# KiCad board demomatrix.kicad_pcb (continued)
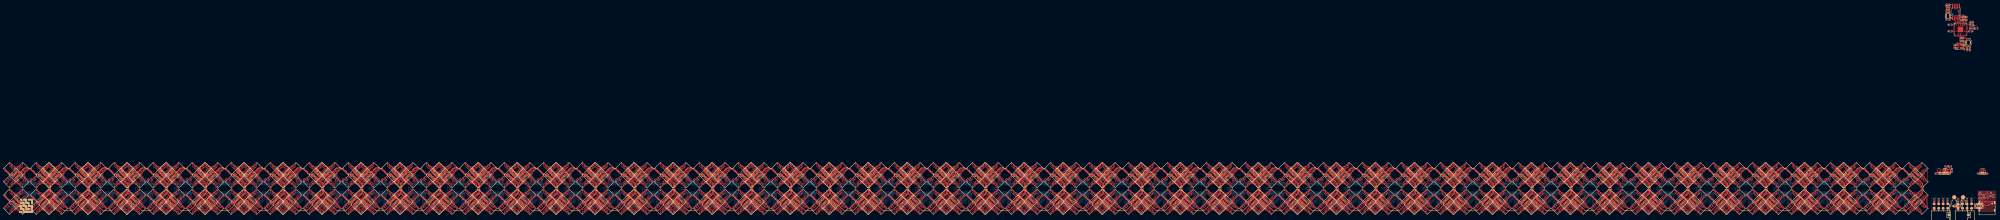
[diagram p0: board, top side]
## Routing (per net, layer and track width the routed paths; a pad name or vN(x,y) marks a point on that pad's centre or on a via; arc(x,y) is an arc through that point) (continued)
rgbs[3]-cathodes-cathode-370: length 10.7
  Top w0.2: LED496.1 -565.26,2.17 v1(-564.36,1.27)
  Bottom w0.2: U151.16 -564.7,1.61 v1(-564.36,1.27)
rgbs[3]-cathodes-cathode-371: length 21.3
  Top w0.2: LED492.1 -579.25,1.21 v1(-579.23,1.21)
  Bottom w0.2: v1(-579.23,1.21) -577.54,1.21 -575.86,2.89 -569.39,2.89 -565.37,6.91 -565.37,9.65 -565.27,9.75 -565.27,10.46 U151.17
rgbs[3]-cathodes-cathode-372: length 19.3
  Top w0.2: v1(-578.44,2.17) -578.51,2.17 LED492.3
  Bottom w0.2: v1(-578.44,2.17) -577.15,2.17 -576.02,3.29 -569.56,3.29 -565.97,6.88 U151.18
rgbs[3]-cathodes-cathode-373: length 17.6
  Top w0.2: LED492.5 -577.6,2.96 v1(-577.6,2.94)
  Bottom w0.2: v1(-577.6,2.94) -576.94,2.94 -576.19,3.69 -569.72,3.69 -566.61,6.81 U151.19
rgbs[3]-cathodes-cathode-374: length 15.2
  Top w0.2: v1(-576.89,4) -576.95,4 -577.43,4.48
  Bottom w0.2: U151.20 -567.24,6.74 -569.89,4.09 -576.8,4.09 v1(-576.89,4)
rgbs[3]-cathodes-cathode-375: length 17.3
  Top w0.2: v1(-578.38,16.92) -578.38,17.03 LED484.3
  Bottom w0.2: U151.6 -566.61,17.02 -569.88,20.29 -574,20.29 -576.2,18.09 -576.62,18.09 -576.62,18.09 -576.93,18.09 -577.19,17.83 -577.19,17.83 -577.54,17.48 -577.92,17.09 -578.21,17.09 v1(-578.38,16.92)
rgbs[3]-cathodes-cathode-376: length 16.9
  Top w0.2: v1(-577.79,18.08) -577.79,18.14 LED484.5
  Bottom w0.2: U151.7 -565.97,16.95 -569.71,20.69 -574.16,20.69 -576.37,18.49 -576.79,18.49 -577.1,18.49 -577.65,17.94 v1(-577.79,18.08)
rgbs[3]-cathodes-cathode-377: length 16.1
  Top w0.2: -577.43,19.48 -577.04,19.09 v1(-577.04,19.09)
  Bottom w0.2: U151.8 -565.34,16.89 -569.55,21.09 -574.33,21.09 -576.53,18.89 -576.84,18.89 v1(-577.04,19.09)
rgbs[3]-cathodes-cathode-378: length 4.1
  Top w0.2: v1(-565.81,18.21) -565.26,17.66 LED488.1
  Bottom w0.2: U151.9 -564.7,17.1 v1(-565.81,18.21)
rgbs[3]-cathodes-cathode-379: length 4.5
  Top w0.2: v1(-565.2,18.72) -565.07,18.72 LED488.3
  Bottom w0.2: v1(-565.2,18.72) -564.07,17.59 U151.10
rgbs[3]-cathodes-cathode-380: length 3.2
  Top w0.2: v1(-563.42,17.52) -563.42,18.78 LED488.5
  Bottom w0.2: U151.11 -563.43,17.51 v1(-563.42,17.52)
rgbs[3]-cathodes-cathode-381: length 3.7
  Top w0.2: -562.53,19.33 -562.53,18.27 v1(-562.79,18.01)
  Bottom w0.2: U151.12 -562.8,18 v1(-562.79,18.01)
rgbs[3]-cathodes-cathode-382: length 7.9
  Top w0.2: v1(-561.98,4) -562.72,4.74 LED496.7
  Bottom w0.2: U151.13 -562.8,4.82 v1(-561.98,4)
rgbs[3]-cathodes-cathode-383: length 8.7
  Top w0.2: v1(-562.9,3.1) -562.9,3.25 LED496.5
  Bottom w0.2: U151.14 -563.43,3.64 v1(-562.9,3.1)
rgbs[3]-cathodes-cathode-384: length 17.9
  Top w0.2: v1(-556.77,15.8) -556.85,15.8 LED500.1
  Bottom w0.2: -556.58,15.87 -556.65,15.8 ; -556.65,15.8 -556.13,16.32 -556.13,16.32 -555.78,16.67 -555.78,16.68 -555.37,17.08 -555.14,17.31 -554.79,17.66 -554.79,17.67 -554.77,17.69 -554.46,17.69 -554.37,17.69 -554.03,17.69 -551.83,19.89 -548.04,19.89 -545.24,17.09 -545.24,16.89 U156.5 ; -556.65,15.8 v1(-556.77,15.8)
rgbs[3]-cathodes-cathode-385: length 9.4
  Top w0.2: v1(-541.72,2.28) -542.41,2.97 LED512.3
  Bottom w0.2: U156.15 -542.07,2.63 v1(-541.72,2.28)
rgbs[3]-cathodes-cathode-386: length 10.7
  Top w0.2: v1(-542.36,1.27) -543.26,2.17 LED512.1
  Bottom w0.2: U156.16 -542.7,1.61 v1(-542.36,1.27)
rgbs[3]-cathodes-cathode-387: length 21.3
  Top w0.2: v1(-557.23,1.21) -557.25,1.21 LED508.1
  Bottom w0.2: U156.17 -543.27,10.46 -543.27,9.75 -543.37,9.65 -543.37,6.91 -547.39,2.89 -553.86,2.89 -555.54,1.21 v1(-557.23,1.21)
rgbs[3]-cathodes-cathode-388: length 19.3
  Top w0.2: LED508.3 -556.51,2.17 v1(-556.44,2.17)
  Bottom w0.2: v1(-556.44,2.17) -555.15,2.17 -554.02,3.29 -547.56,3.29 -543.97,6.88 U156.18
rgbs[3]-cathodes-cathode-389: length 17.6
  Top w0.2: LED508.5 -555.6,2.96 v1(-555.6,2.94)
  Bottom w0.2: U156.19 -544.61,6.81 -547.72,3.69 -554.19,3.69 -554.94,2.94 v1(-555.6,2.94)
rgbs[3]-cathodes-cathode-390: length 15.2
  Top w0.2: v1(-554.89,4) -554.95,4 -555.43,4.48
  Bottom w0.2: U156.20 -545.24,6.74 -547.89,4.09 -554.8,4.09 v1(-554.89,4)
rgbs[3]-cathodes-cathode-391: length 17.3
  Top w0.2: v1(-556.38,16.92) -556.38,17.03 LED500.3
  Bottom w0.2: v1(-556.38,16.92) -556.21,17.09 -555.92,17.09 -555.54,17.48 -555.19,17.83 -555.19,17.83 -554.93,18.09 -554.62,18.09 -554.62,18.09 -554.2,18.09 -552,20.29 -547.88,20.29 -544.61,17.02 U156.6
rgbs[3]-cathodes-cathode-392: length 16.9
  Top w0.2: v1(-555.79,18.08) -555.79,18.14 LED500.5
  Bottom w0.2: v1(-555.79,18.08) -555.65,17.94 -555.1,18.49 -554.79,18.49 -554.7,18.49 -554.37,18.49 -552.16,20.69 -547.71,20.69 -543.97,16.95 U156.7
rgbs[3]-cathodes-cathode-393: length 16.1
  Top w0.2: v1(-555.04,19.09) -555.04,19.09 -555.43,19.48
  Bottom w0.2: v1(-555.04,19.09) -554.84,18.89 -554.53,18.89 -552.33,21.09 -547.55,21.09 -543.34,16.89 U156.8
rgbs[3]-cathodes-cathode-394: length 4.1
  Top w0.2: v1(-543.81,18.21) -543.26,17.66 LED504.1
  Bottom w0.2: v1(-543.81,18.21) -542.7,17.1 U156.9
rgbs[3]-cathodes-cathode-395: length 4.5
  Top w0.2: v1(-543.2,18.72) -543.07,18.72 LED504.3
  Bottom w0.2: v1(-543.2,18.72) -542.07,17.59 U156.10
rgbs[3]-cathodes-cathode-396: length 3.2
  Top w0.2: LED504.5 -541.42,18.78 v1(-541.42,17.52)
  Bottom w0.2: U156.11 -541.43,17.51 v1(-541.42,17.52)
rgbs[3]-cathodes-cathode-397: length 3.7
  Top w0.2: v1(-540.79,18.01) -540.53,18.27 -540.53,19.33
  Bottom w0.2: v1(-540.79,18.01) -540.8,18 U156.12
rgbs[3]-cathodes-cathode-398: length 7.9
  Top w0.2: v1(-539.98,4) -540.72,4.74 LED512.7
  Bottom w0.2: U156.13 -540.8,4.82 v1(-539.98,4)
rgbs[3]-cathodes-cathode-399: length 8.7
  Top w0.2: v1(-540.9,3.1) -540.9,3.25 LED512.5
  Bottom w0.2: U156.14 -541.43,3.64 v1(-540.9,3.1)
rgbs[3]-cathodes-cathode-400: length 17.9
  Top w0.2: LED516.1 -534.85,15.8 v1(-534.77,15.8)
  Bottom w0.2: -534.65,15.8 -534.13,16.32 -534.13,16.32 -533.78,16.67 -533.78,16.68 -533.37,17.08 -533.14,17.31 -532.79,17.66 -532.79,17.67 -532.77,17.69 -532.46,17.69 -532.37,17.69 -532.03,17.69 -529.83,19.89 -526.04,19.89 -523.24,17.09 -523.24,16.89 U161.5 ; -534.65,15.8 -534.58,15.87 ; -534.65,15.8 v1(-534.77,15.8)
rgbs[3]-cathodes-cathode-401: length 9.4
  Top w0.2: LED528.3 -520.41,2.97 v1(-519.72,2.28)
  Bottom w0.2: v1(-519.72,2.28) -520.07,2.63 U161.15
rgbs[3]-cathodes-cathode-402: length 10.7
  Top w0.2: LED528.1 -521.26,2.17 v1(-520.36,1.27)
  Bottom w0.2: v1(-520.36,1.27) -520.7,1.61 U161.16
rgbs[3]-cathodes-cathode-403: length 21.3
  Top w0.2: LED524.1 -535.25,1.21 v1(-535.23,1.21)
  Bottom w0.2: v1(-535.23,1.21) -533.54,1.21 -531.86,2.89 -525.39,2.89 -521.37,6.91 -521.37,9.65 -521.27,9.75 -521.27,10.46 U161.17
rgbs[3]-cathodes-cathode-404: length 19.3
  Top w0.2: v1(-534.44,2.17) -534.51,2.17 LED524.3
  Bottom w0.2: U161.18 -521.97,6.88 -525.56,3.29 -532.02,3.29 -533.15,2.17 v1(-534.44,2.17)
rgbs[3]-cathodes-cathode-405: length 17.6
  Top w0.2: v1(-533.6,2.94) -533.6,2.96 LED524.5
  Bottom w0.2: v1(-533.6,2.94) -532.94,2.94 -532.19,3.69 -525.72,3.69 -522.61,6.81 U161.19
rgbs[3]-cathodes-cathode-406: length 15.2
  Top w0.2: -533.43,4.48 -532.95,4 v1(-532.89,4)
  Bottom w0.2: U161.20 -523.24,6.74 -525.89,4.09 -532.8,4.09 v1(-532.89,4)
rgbs[3]-cathodes-cathode-407: length 17.3
  Top w0.2: LED516.3 -534.38,17.03 v1(-534.38,16.92)
  Bottom w0.2: U161.6 -522.61,17.02 -525.88,20.29 -530,20.29 -532.2,18.09 -532.62,18.09 -532.62,18.09 -532.93,18.09 -533.19,17.83 -533.19,17.83 -533.54,17.48 -533.92,17.09 -534.21,17.09 v1(-534.38,16.92)
rgbs[3]-cathodes-cathode-408: length 16.9
  Top w0.2: LED516.5 -533.79,18.14 v1(-533.79,18.08)
  Bottom w0.2: v1(-533.79,18.08) -533.65,17.94 -533.1,18.49 -532.79,18.49 -532.7,18.49 -532.37,18.49 -530.16,20.69 -525.71,20.69 -521.97,16.95 U161.7
rgbs[3]-cathodes-cathode-409: length 16.1
  Top w0.2: v1(-533.04,19.09) -533.04,19.09 -533.43,19.48
  Bottom w0.2: v1(-533.04,19.09) -532.84,18.89 -532.53,18.89 -530.33,21.09 -525.55,21.09 -521.34,16.89 U161.8
rgbs[3]-cathodes-cathode-410: length 4.1
  Top w0.2: v1(-521.81,18.21) -521.26,17.66 LED520.1
  Bottom w0.2: v1(-521.81,18.21) -520.7,17.1 U161.9
rgbs[3]-cathodes-cathode-411: length 4.5
  Top w0.2: v1(-521.2,18.72) -521.07,18.72 LED520.3
  Bottom w0.2: U161.10 -520.07,17.59 v1(-521.2,18.72)
rgbs[3]-cathodes-cathode-412: length 3.2
  Top w0.2: v1(-519.42,17.52) -519.42,18.78 LED520.5
  Bottom w0.2: U161.11 -519.43,17.51 v1(-519.42,17.52)
rgbs[3]-cathodes-cathode-413: length 3.7
  Top w0.2: v1(-518.79,18.01) -518.53,18.27 -518.53,19.33
  Bottom w0.2: v1(-518.79,18.01) -518.8,18 U161.12
rgbs[3]-cathodes-cathode-414: length 7.9
  Top w0.2: LED528.7 -518.72,4.74 v1(-517.98,4)
  Bottom w0.2: v1(-517.98,4) -518.8,4.82 U161.13
rgbs[3]-cathodes-cathode-415: length 8.7
  Top w0.2: LED528.5 -518.9,3.25 v1(-518.9,3.1)
  Bottom w0.2: U161.14 -519.43,3.64 v1(-518.9,3.1)
rgbs[3]-cathodes-cathode-416: length 17.9
  Top w0.2: v1(-512.77,15.8) -512.85,15.8 LED532.1
  Bottom w0.2: U166.5 -501.24,16.89 -501.24,17.09 -504.04,19.89 -507.83,19.89 -510.03,17.69 -510.46,17.69 -510.77,17.69 -510.79,17.67 -510.79,17.66 -511.37,17.08 -511.52,16.93 -511.78,16.68 -511.78,16.67 -512.13,16.32 -512.13,16.32 -512.65,15.8 ; -512.65,15.8 -512.58,15.87 ; -512.65,15.8 v1(-512.77,15.8)
rgbs[3]-cathodes-cathode-417: length 9.4
  Top w0.2: v1(-497.72,2.28) -498.41,2.97 LED544.3
  Bottom w0.2: v1(-497.72,2.28) -498.07,2.63 U166.15
rgbs[3]-cathodes-cathode-418: length 10.7
  Top w0.2: LED544.1 -499.26,2.17 v1(-498.36,1.27)
  Bottom w0.2: v1(-498.36,1.27) -498.7,1.61 U166.16
rgbs[3]-cathodes-cathode-419: length 21.3
  Top w0.2: v1(-513.23,1.21) -513.25,1.21 LED540.1
  Bottom w0.2: v1(-513.23,1.21) -511.54,1.21 -509.86,2.89 -503.39,2.89 -499.37,6.91 -499.37,9.65 -499.27,9.75 -499.27,10.46 U166.17
rgbs[3]-cathodes-cathode-420: length 19.3
  Top w0.2: v1(-512.44,2.17) -512.51,2.17 LED540.3
  Bottom w0.2: v1(-512.44,2.17) -511.15,2.17 -510.02,3.29 -503.56,3.29 -499.97,6.88 U166.18
rgbs[3]-cathodes-cathode-421: length 17.6
  Top w0.2: v1(-511.6,2.94) -511.6,2.96 LED540.5
  Bottom w0.2: U166.19 -500.61,6.81 -503.72,3.69 -510.19,3.69 -510.94,2.94 v1(-511.6,2.94)
rgbs[3]-cathodes-cathode-422: length 15.2
  Top w0.2: -511.43,4.48 -510.95,4 v1(-510.89,4)
  Bottom w0.2: v1(-510.89,4) -510.8,4.09 -503.89,4.09 -501.24,6.74 U166.20
rgbs[3]-cathodes-cathode-423: length 17.3
  Top w0.2: LED532.3 -512.38,17.03 v1(-512.38,16.92)
  Bottom w0.2: U166.6 -500.61,17.02 -503.88,20.29 -508,20.29 -510.2,18.09 -510.62,18.09 -510.62,18.09 -510.93,18.09 -511.19,17.83 -511.19,17.83 -511.54,17.48 -511.92,17.09 -512.21,17.09 v1(-512.38,16.92)
rgbs[3]-cathodes-cathode-424: length 16.9
  Top w0.2: v1(-511.79,18.08) -511.79,18.14 LED532.5
  Bottom w0.2: v1(-511.79,18.08) -511.65,17.94 -511.1,18.49 -510.79,18.49 -510.7,18.49 -510.37,18.49 -508.16,20.69 -503.71,20.69 -499.97,16.95 U166.7
rgbs[3]-cathodes-cathode-425: length 16.1
  Top w0.2: v1(-511.04,19.09) -511.04,19.09 -511.43,19.48
  Bottom w0.2: U166.8 -499.34,16.89 -503.55,21.09 -508.33,21.09 -510.53,18.89 -510.84,18.89 v1(-511.04,19.09)
rgbs[3]-cathodes-cathode-426: length 4.1
  Top w0.2: v1(-499.81,18.21) -499.26,17.66 LED536.1
  Bottom w0.2: U166.9 -498.7,17.1 v1(-499.81,18.21)
rgbs[3]-cathodes-cathode-427: length 4.5
  Top w0.2: LED536.3 -499.07,18.72 v1(-499.2,18.72)
  Bottom w0.2: U166.10 -498.07,17.59 v1(-499.2,18.72)
rgbs[3]-cathodes-cathode-428: length 3.2
  Top w0.2: LED536.5 -497.42,18.78 v1(-497.42,17.52)
  Bottom w0.2: v1(-497.42,17.52) -497.43,17.51 U166.11
rgbs[3]-cathodes-cathode-429: length 3.7
  Top w0.2: -496.53,19.33 -496.53,18.27 v1(-496.79,18.01)
  Bottom w0.2: v1(-496.79,18.01) -496.8,18 U166.12
rgbs[3]-cathodes-cathode-430: length 7.9
  Top w0.2: v1(-495.98,4) -496.72,4.74 LED544.7
  Bottom w0.2: v1(-495.98,4) -496.8,4.82 U166.13
rgbs[3]-cathodes-cathode-431: length 8.7
  Top w0.2: LED544.5 -496.9,3.25 v1(-496.9,3.1)
  Bottom w0.2: U166.14 -497.43,3.64 v1(-496.9,3.1)
rgbs[3]-cathodes-cathode-432: length 17.9
  Top w0.2: LED548.1 -490.85,15.8 v1(-490.77,15.8)
  Bottom w0.2: -490.65,15.8 -490.13,16.32 -490.13,16.32 -489.78,16.67 -489.78,16.68 -489.37,17.08 -489.14,17.31 -488.79,17.66 -488.79,17.67 -488.77,17.69 -488.46,17.69 -488.37,17.69 -488.03,17.69 -485.83,19.89 -482.04,19.89 -479.24,17.09 -479.24,16.89 U171.5 ; -490.65,15.8 v1(-490.77,15.8) ; -490.65,15.8 -490.58,15.87
rgbs[3]-cathodes-cathode-433: length 9.4
  Top w0.2: LED560.3 -476.41,2.97 v1(-475.72,2.28)
  Bottom w0.2: v1(-475.72,2.28) -476.07,2.63 U171.15
rgbs[3]-cathodes-cathode-434: length 10.7
  Top w0.2: LED560.1 -477.26,2.17 v1(-476.36,1.27)
  Bottom w0.2: v1(-476.36,1.27) -476.7,1.61 U171.16
rgbs[3]-cathodes-cathode-435: length 21.3
  Top w0.2: LED556.1 -491.25,1.21 v1(-491.23,1.21)
  Bottom w0.2: U171.17 -477.27,10.46 -477.27,9.75 -477.37,9.65 -477.37,6.91 -481.39,2.89 -487.86,2.89 -489.54,1.21 v1(-491.23,1.21)
rgbs[3]-cathodes-cathode-436: length 19.3
  Top w0.2: LED556.3 -490.51,2.17 v1(-490.44,2.17)
  Bottom w0.2: v1(-490.44,2.17) -489.15,2.17 -488.02,3.29 -481.56,3.29 -477.97,6.88 U171.18
rgbs[3]-cathodes-cathode-437: length 17.6
  Top w0.2: v1(-489.6,2.94) -489.6,2.96 LED556.5
  Bottom w0.2: v1(-489.6,2.94) -488.94,2.94 -488.19,3.69 -481.72,3.69 -478.61,6.81 U171.19
rgbs[3]-cathodes-cathode-438: length 15.2
  Top w0.2: v1(-488.89,4) -488.95,4 -489.43,4.48
  Bottom w0.2: U171.20 -479.24,6.74 -481.89,4.09 -488.8,4.09 v1(-488.89,4)
rgbs[3]-cathodes-cathode-439: length 17.3
  Top w0.2: v1(-490.38,16.92) -490.38,17.03 LED548.3
  Bottom w0.2: U171.6 -478.61,17.02 -481.88,20.29 -486,20.29 -488.2,18.09 -488.62,18.09 -488.62,18.09 -488.93,18.09 -489.19,17.83 -489.19,17.83 -489.54,17.48 -489.92,17.09 -490.21,17.09 v1(-490.38,16.92)
rgbs[3]-cathodes-cathode-440: length 16.9
  Top w0.2: LED548.5 -489.79,18.14 v1(-489.79,18.08)
  Bottom w0.2: U171.7 -477.97,16.95 -481.71,20.69 -486.16,20.69 -488.37,18.49 -488.79,18.49 -489.1,18.49 -489.65,17.94 v1(-489.79,18.08)
rgbs[3]-cathodes-cathode-441: length 16.1
  Top w0.2: -489.43,19.48 -489.04,19.09 v1(-489.04,19.09)
  Bottom w0.2: v1(-489.04,19.09) -488.84,18.89 -488.53,18.89 -486.33,21.09 -481.55,21.09 -477.34,16.89 U171.8
rgbs[3]-cathodes-cathode-442: length 4.1
  Top w0.2: v1(-477.81,18.21) -477.26,17.66 LED552.1
  Bottom w0.2: v1(-477.81,18.21) -476.7,17.1 U171.9
rgbs[3]-cathodes-cathode-443: length 4.5
  Top w0.2: LED552.3 -477.07,18.72 v1(-477.2,18.72)
  Bottom w0.2: U171.10 -476.07,17.59 v1(-477.2,18.72)
rgbs[3]-cathodes-cathode-444: length 3.2
  Top w0.2: LED552.5 -475.42,18.78 v1(-475.42,17.52)
  Bottom w0.2: U171.11 -475.43,17.51 v1(-475.42,17.52)
rgbs[3]-cathodes-cathode-445: length 3.7
  Top w0.2: v1(-474.79,18.01) -474.53,18.27 -474.53,19.33
  Bottom w0.2: U171.12 -474.8,18 v1(-474.79,18.01)
rgbs[3]-cathodes-cathode-446: length 7.9
  Top w0.2: v1(-473.98,4) -474.72,4.74 LED560.7
  Bottom w0.2: v1(-473.98,4) -474.8,4.82 U171.13
rgbs[3]-cathodes-cathode-447: length 8.7
  Top w0.2: LED560.5 -474.9,3.25 v1(-474.9,3.1)
  Bottom w0.2: v1(-474.9,3.1) -475.43,3.64 U171.14
rgbs[3]-cathodes-cathode-448: length 17.9
  Top w0.2: v1(-468.77,15.8) -468.85,15.8 LED564.1
  Bottom w0.2: U176.5 -457.24,16.89 -457.24,17.09 -460.04,19.89 -463.83,19.89 -466.03,17.69 -466.46,17.69 -466.77,17.69 -466.79,17.67 -466.79,17.66 -467.37,17.08 -467.52,16.93 -467.78,16.68 -467.78,16.67 -468.13,16.32 -468.13,16.32 -468.65,15.8 ; -468.65,15.8 v1(-468.77,15.8) ; -468.65,15.8 -468.58,15.87
rgbs[3]-cathodes-cathode-449: length 9.4
  Top w0.2: LED576.3 -454.41,2.97 v1(-453.72,2.28)
  Bottom w0.2: v1(-453.72,2.28) -454.07,2.63 U176.15
rgbs[3]-cathodes-cathode-450: length 10.7
  Top w0.2: v1(-454.36,1.27) -455.26,2.17 LED576.1
  Bottom w0.2: U176.16 -454.7,1.61 v1(-454.36,1.27)
rgbs[3]-cathodes-cathode-451: length 21.3
  Top w0.2: v1(-469.23,1.21) -469.25,1.21 LED572.1
  Bottom w0.2: v1(-469.23,1.21) -467.54,1.21 -465.86,2.89 -459.39,2.89 -455.37,6.91 -455.37,9.65 -455.27,9.75 -455.27,10.46 U176.17
rgbs[3]-cathodes-cathode-452: length 19.3
  Top w0.2: LED572.3 -468.51,2.17 v1(-468.44,2.17)
  Bottom w0.2: v1(-468.44,2.17) -467.15,2.17 -466.02,3.29 -459.56,3.29 -455.97,6.88 U176.18
rgbs[3]-cathodes-cathode-453: length 17.6
  Top w0.2: v1(-467.6,2.94) -467.6,2.96 LED572.5
  Bottom w0.2: v1(-467.6,2.94) -466.94,2.94 -466.19,3.69 -459.72,3.69 -456.61,6.81 U176.19
rgbs[3]-cathodes-cathode-454: length 15.2
  Top w0.2: -467.43,4.48 -466.95,4 v1(-466.89,4)
  Bottom w0.2: U176.20 -457.24,6.74 -459.89,4.09 -466.8,4.09 v1(-466.89,4)
rgbs[3]-cathodes-cathode-455: length 17.3
  Top w0.2: v1(-468.38,16.92) -468.38,17.03 LED564.3
  Bottom w0.2: v1(-468.38,16.92) -468.21,17.09 -467.92,17.09 -467.54,17.48 -467.19,17.83 -467.19,17.83 -466.93,18.09 -466.62,18.09 -466.62,18.09 -466.2,18.09 -464,20.29 -459.88,20.29 -456.61,17.02 U176.6
rgbs[3]-cathodes-cathode-456: length 16.9
  Top w0.2: LED564.5 -467.79,18.14 v1(-467.79,18.08)
  Bottom w0.2: v1(-467.79,18.08) -467.65,17.94 -467.1,18.49 -466.79,18.49 -466.7,18.49 -466.37,18.49 -464.16,20.69 -459.71,20.69 -455.97,16.95 U176.7
rgbs[3]-cathodes-cathode-457: length 16.1
  Top w0.2: -467.43,19.48 -467.04,19.09 v1(-467.04,19.09)
  Bottom w0.2: v1(-467.04,19.09) -466.84,18.89 -466.53,18.89 -464.33,21.09 -459.55,21.09 -455.34,16.89 U176.8
rgbs[3]-cathodes-cathode-458: length 4.1
  Top w0.2: LED568.1 -455.26,17.66 v1(-455.81,18.21)
  Bottom w0.2: U176.9 -454.7,17.1 v1(-455.81,18.21)
rgbs[3]-cathodes-cathode-459: length 4.5
  Top w0.2: LED568.3 -455.07,18.72 v1(-455.2,18.72)
  Bottom w0.2: v1(-455.2,18.72) -454.07,17.59 U176.10
rgbs[3]-cathodes-cathode-460: length 3.2
  Top w0.2: LED568.5 -453.42,18.78 v1(-453.42,17.52)
  Bottom w0.2: U176.11 -453.43,17.51 v1(-453.42,17.52)
rgbs[3]-cathodes-cathode-461: length 3.7
  Top w0.2: v1(-452.79,18.01) -452.53,18.27 -452.53,19.33
  Bottom w0.2: U176.12 -452.8,18 v1(-452.79,18.01)
rgbs[3]-cathodes-cathode-462: length 7.9
  Top w0.2: LED576.7 -452.72,4.74 v1(-451.98,4)
  Bottom w0.2: v1(-451.98,4) -452.8,4.82 U176.13
rgbs[3]-cathodes-cathode-463: length 8.7
  Top w0.2: LED576.5 -452.9,3.25 v1(-452.9,3.1)
  Bottom w0.2: U176.14 -453.43,3.64 v1(-452.9,3.1)
rgbs[3]-cathodes-cathode-464: length 17.9
  Top w0.2: v1(-446.77,15.8) -446.85,15.8 LED580.1
  Bottom w0.2: U181.5 -435.24,16.89 -435.24,17.09 -438.04,19.89 -441.83,19.89 -444.03,17.69 -444.46,17.69 -444.77,17.69 -444.79,17.67 -444.79,17.66 -445.37,17.08 -445.52,16.93 -445.78,16.68 -445.78,16.67 -446.13,16.32 -446.13,16.32 -446.65,15.8 ; -446.65,15.8 v1(-446.77,15.8) ; -446.65,15.8 -446.58,15.87
rgbs[3]-cathodes-cathode-465: length 9.4
  Top w0.2: v1(-431.72,2.28) -432.41,2.97 LED592.3
  Bottom w0.2: v1(-431.72,2.28) -432.07,2.63 U181.15
rgbs[3]-cathodes-cathode-466: length 10.7
  Top w0.2: v1(-432.36,1.27) -433.26,2.17 LED592.1
  Bottom w0.2: v1(-432.36,1.27) -432.7,1.61 U181.16
rgbs[3]-cathodes-cathode-467: length 21.3
  Top w0.2: v1(-447.23,1.21) -447.25,1.21 LED588.1
  Bottom w0.2: U181.17 -433.27,10.46 -433.27,9.75 -433.37,9.65 -433.37,6.91 -437.39,2.89 -443.86,2.89 -445.54,1.21 v1(-447.23,1.21)
rgbs[3]-cathodes-cathode-468: length 19.3
  Top w0.2: LED588.3 -446.51,2.17 v1(-446.44,2.17)
  Bottom w0.2: U181.18 -433.97,6.88 -437.56,3.29 -444.02,3.29 -445.15,2.17 v1(-446.44,2.17)
rgbs[3]-cathodes-cathode-469: length 17.6
  Top w0.2: v1(-445.6,2.94) -445.6,2.96 LED588.5
  Bottom w0.2: U181.19 -434.61,6.81 -437.72,3.69 -444.19,3.69 -444.94,2.94 v1(-445.6,2.94)
rgbs[3]-cathodes-cathode-470: length 15.2
  Top w0.2: v1(-444.89,4) -444.95,4 -445.43,4.48
  Bottom w0.2: U181.20 -435.24,6.74 -437.89,4.09 -444.8,4.09 v1(-444.89,4)
rgbs[3]-cathodes-cathode-471: length 17.3
  Top w0.2: v1(-446.38,16.92) -446.38,17.03 LED580.3
  Bottom w0.2: v1(-446.38,16.92) -446.21,17.09 -445.92,17.09 -445.54,17.48 -445.19,17.83 -445.19,17.83 -444.93,18.09 -444.62,18.09 -444.62,18.09 -444.2,18.09 -442,20.29 -437.88,20.29 -434.61,17.02 U181.6
rgbs[3]-cathodes-cathode-472: length 16.9
  Top w0.2: LED580.5 -445.79,18.14 v1(-445.79,18.08)
  Bottom w0.2: U181.7 -433.97,16.95 -437.71,20.69 -442.16,20.69 -444.37,18.49 -444.79,18.49 -445.1,18.49 -445.65,17.94 v1(-445.79,18.08)
rgbs[3]-cathodes-cathode-473: length 16.1
  Top w0.2: -445.43,19.48 -445.04,19.09 v1(-445.04,19.09)
  Bottom w0.2: v1(-445.04,19.09) -444.84,18.89 -444.53,18.89 -442.33,21.09 -437.55,21.09 -433.34,16.89 U181.8
rgbs[3]-cathodes-cathode-474: length 4.1
  Top w0.2: v1(-433.81,18.21) -433.26,17.66 LED584.1
  Bottom w0.2: v1(-433.81,18.21) -432.7,17.1 U181.9
rgbs[3]-cathodes-cathode-475: length 4.5
  Top w0.2: v1(-433.2,18.72) -433.07,18.72 LED584.3
  Bottom w0.2: v1(-433.2,18.72) -432.07,17.59 U181.10
rgbs[3]-cathodes-cathode-476: length 3.2
  Top w0.2: LED584.5 -431.42,18.78 v1(-431.42,17.52)
  Bottom w0.2: U181.11 -431.43,17.51 v1(-431.42,17.52)
rgbs[3]-cathodes-cathode-477: length 3.7
  Top w0.2: v1(-430.79,18.01) -430.53,18.27 -430.53,19.33
  Bottom w0.2: U181.12 -430.8,18 v1(-430.79,18.01)
rgbs[3]-cathodes-cathode-478: length 7.9
  Top w0.2: v1(-429.98,4) -430.72,4.74 LED592.7
  Bottom w0.2: v1(-429.98,4) -430.8,4.82 U181.13
rgbs[3]-cathodes-cathode-479: length 8.7
  Top w0.2: v1(-430.9,3.1) -430.9,3.25 LED592.5
  Bottom w0.2: v1(-430.9,3.1) -431.43,3.64 U181.14
rgbs[3]-cathodes-cathode-480: length 17.9
  Top w0.2: v1(-424.77,15.8) -424.85,15.8 LED596.1
  Bottom w0.2: U186.5 -413.24,16.89 -413.24,17.09 -416.04,19.89 -419.83,19.89 -422.03,17.69 -422.46,17.69 -422.77,17.69 -422.79,17.67 -422.79,17.66 -423.37,17.08 -423.52,16.93 -423.78,16.68 -423.78,16.67 -424.13,16.32 -424.13,16.32 -424.65,15.8 ; -424.58,15.87 -424.65,15.8 ; -424.65,15.8 v1(-424.77,15.8)
rgbs[3]-cathodes-cathode-481: length 9.4
  Top w0.2: LED608.3 -410.41,2.97 v1(-409.72,2.28)
  Bottom w0.2: U186.15 -410.07,2.63 v1(-409.72,2.28)
rgbs[3]-cathodes-cathode-482: length 10.7
  Top w0.2: v1(-410.36,1.27) -411.26,2.17 LED608.1
  Bottom w0.2: v1(-410.36,1.27) -410.7,1.61 U186.16
rgbs[3]-cathodes-cathode-483: length 21.3
  Top w0.2: v1(-425.23,1.21) -425.25,1.21 LED604.1
  Bottom w0.2: v1(-425.23,1.21) -423.54,1.21 -421.86,2.89 -415.39,2.89 -411.37,6.91 -411.37,9.65 -411.27,9.75 -411.27,10.46 U186.17
rgbs[3]-cathodes-cathode-484: length 19.3
  Top w0.2: v1(-424.44,2.17) -424.51,2.17 LED604.3
  Bottom w0.2: v1(-424.44,2.17) -423.15,2.17 -422.02,3.29 -415.56,3.29 -411.97,6.88 U186.18
rgbs[3]-cathodes-cathode-485: length 17.6
  Top w0.2: LED604.5 -423.6,2.96 v1(-423.6,2.94)
  Bottom w0.2: U186.19 -412.61,6.81 -415.72,3.69 -422.19,3.69 -422.94,2.94 v1(-423.6,2.94)
rgbs[3]-cathodes-cathode-486: length 15.2
  Top w0.2: v1(-422.89,4) -422.95,4 -423.43,4.48
  Bottom w0.2: U186.20 -413.24,6.74 -415.89,4.09 -422.8,4.09 v1(-422.89,4)
rgbs[3]-cathodes-cathode-487: length 17.3
  Top w0.2: LED596.3 -424.38,17.03 v1(-424.38,16.92)
  Bottom w0.2: v1(-424.38,16.92) -424.21,17.09 -423.92,17.09 -423.54,17.48 -423.19,17.83 -423.19,17.83 -422.93,18.09 -422.62,18.09 -422.62,18.09 -422.2,18.09 -420,20.29 -415.88,20.29 -412.61,17.02 U186.6
rgbs[3]-cathodes-cathode-488: length 16.9
  Top w0.2: LED596.5 -423.79,18.14 v1(-423.79,18.08)
  Bottom w0.2: v1(-423.79,18.08) -423.65,17.94 -423.1,18.49 -422.79,18.49 -422.7,18.49 -422.37,18.49 -420.16,20.69 -415.71,20.69 -411.97,16.95 U186.7
rgbs[3]-cathodes-cathode-489: length 16.1
  Top w0.2: v1(-423.04,19.09) -423.04,19.09 -423.43,19.48
  Bottom w0.2: U186.8 -411.34,16.89 -415.55,21.09 -420.33,21.09 -422.53,18.89 -422.84,18.89 v1(-423.04,19.09)
rgbs[3]-cathodes-cathode-490: length 4.1
  Top w0.2: v1(-411.81,18.21) -411.26,17.66 LED600.1
  Bottom w0.2: v1(-411.81,18.21) -410.7,17.1 U186.9
rgbs[3]-cathodes-cathode-491: length 4.5
  Top w0.2: v1(-411.2,18.72) -411.07,18.72 LED600.3
  Bottom w0.2: U186.10 -410.07,17.59 v1(-411.2,18.72)
rgbs[3]-cathodes-cathode-492: length 3.2
  Top w0.2: v1(-409.42,17.52) -409.42,18.78 LED600.5
  Bottom w0.2: U186.11 -409.43,17.51 v1(-409.42,17.52)
rgbs[3]-cathodes-cathode-493: length 3.7
  Top w0.2: v1(-408.79,18.01) -408.53,18.27 -408.53,19.33
  Bottom w0.2: U186.12 -408.8,18 v1(-408.79,18.01)
rgbs[3]-cathodes-cathode-494: length 7.9
  Top w0.2: LED608.7 -408.72,4.74 v1(-407.98,4)
  Bottom w0.2: U186.13 -408.8,4.82 v1(-407.98,4)
rgbs[3]-cathodes-cathode-495: length 8.7
  Top w0.2: LED608.5 -408.9,3.25 v1(-408.9,3.1)
  Bottom w0.2: U186.14 -409.43,3.64 v1(-408.9,3.1)
rgbs[3]-cathodes-cathode-496: length 17.9
  Top w0.2: LED612.1 -402.85,15.8 v1(-402.77,15.8)
  Bottom w0.2: -402.65,15.8 -402.13,16.32 -402.13,16.32 -401.78,16.67 -401.78,16.68 -401.37,17.08 -401.14,17.31 -400.79,17.66 -400.79,17.67 -400.77,17.69 -400.46,17.69 -400.37,17.69 -400.03,17.69 -397.83,19.89 -394.04,19.89 -391.24,17.09 -391.24,16.89 U191.5 ; -402.65,15.8 v1(-402.77,15.8) ; -402.65,15.8 -402.58,15.87
rgbs[3]-cathodes-cathode-497: length 9.4
  Top w0.2: v1(-387.72,2.28) -388.41,2.97 LED624.3
  Bottom w0.2: U191.15 -388.07,2.63 v1(-387.72,2.28)
rgbs[3]-cathodes-cathode-498: length 10.7
  Top w0.2: LED624.1 -389.26,2.17 v1(-388.36,1.27)
  Bottom w0.2: U191.16 -388.7,1.61 v1(-388.36,1.27)
rgbs[3]-cathodes-cathode-499: length 21.3